# Altium PCB PCB_v3.PcbDoc (part 7 of 7)
Units mil, origin at the board's own origin, x right, y up, seen from the top; angles counter-clockwise.
Board outline 17000 x 5250 mil, 4 copper layers (Top Side, Ground Layer, Power Layer, Bottom Side), stack 33.2 mil thick; 591 components, 525 nets, 2570 pads, 902 vias.
Unrouted connection lines stored in the file: 119.
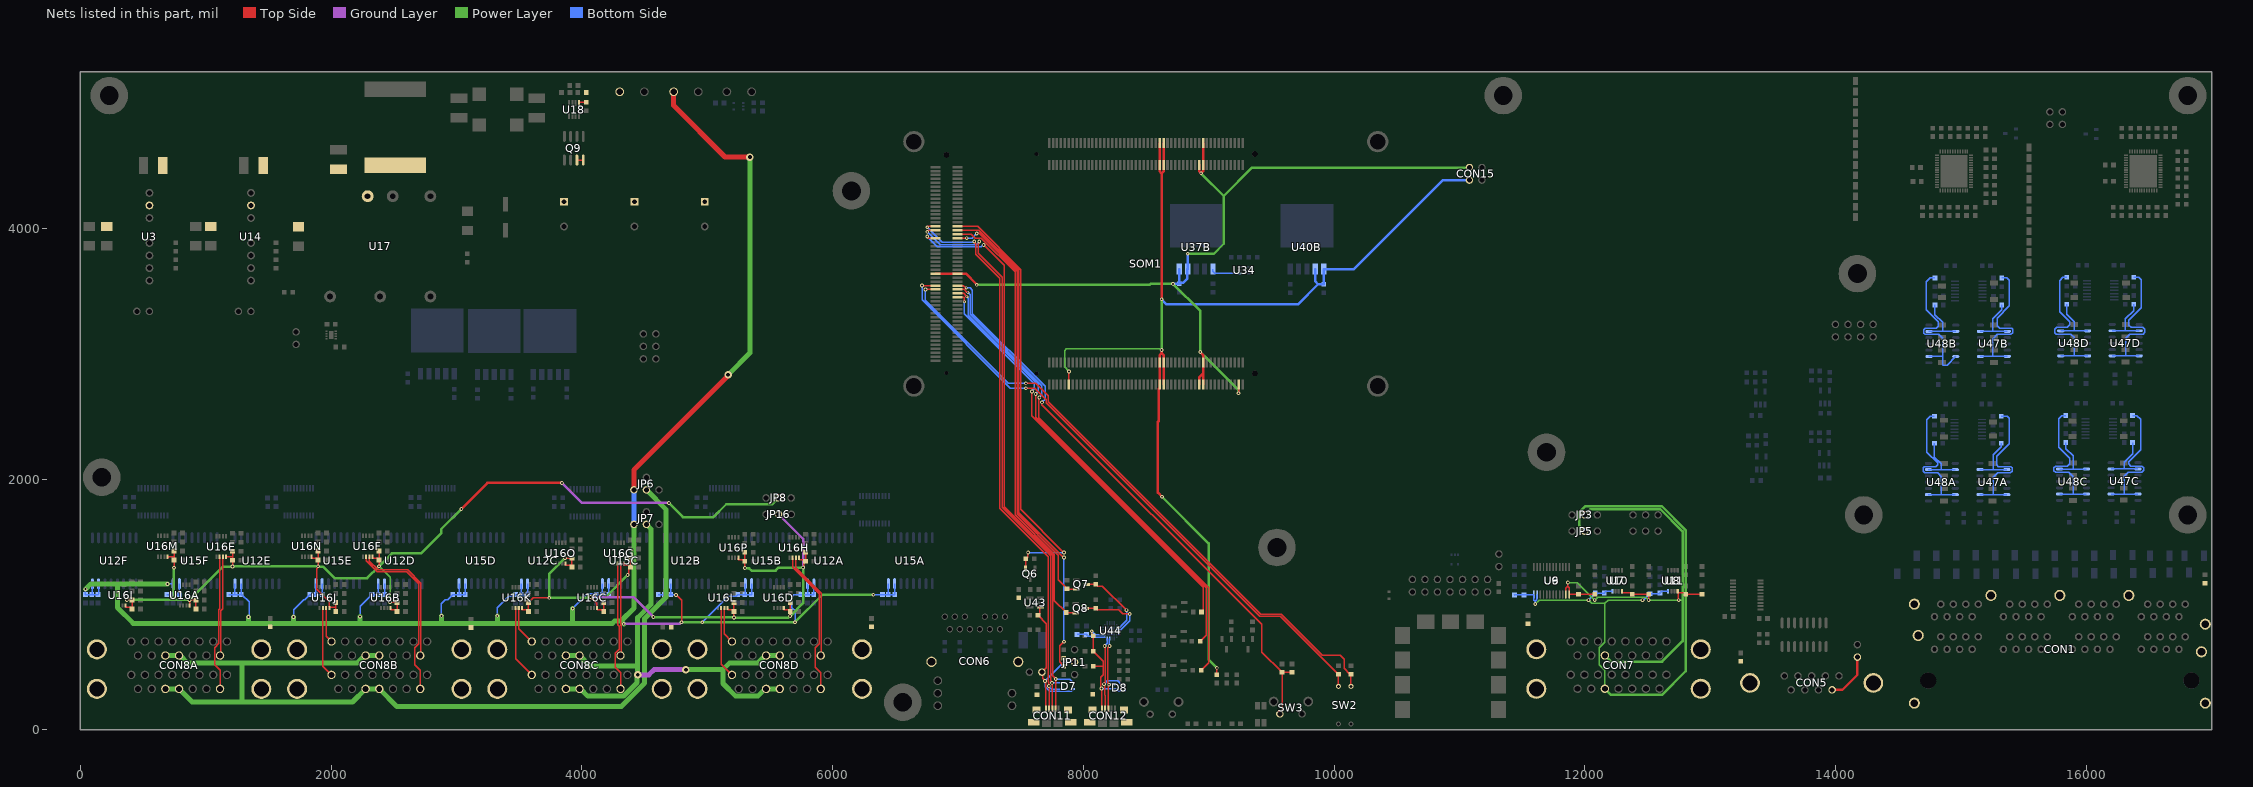
[diagram p9: the nets of this part, all layers, seen from the top]

## Via types
v1: diameter 30, hole 15, Top Side to Bottom Side, 586 vias
v2: diameter 22, hole 12, Top Side to Bottom Side, 248 vias
v3: diameter 25, hole 15, Top Side to Bottom Side, 30 vias
v4: diameter 60, hole 30, Top Side to Bottom Side, 29 vias
v5: diameter 50, hole 28, Top Side to Bottom Side, 7 vias
v6: diameter 40, hole 20, Top Side to Bottom Side, 2 vias

## Nets (pads, with @x,y where several pads share a name; then routed paths per layer and width w, separated by ;. In a path a pad name is that pad's centre, name@x,y a point inside that pad or via, vN(x,y) a via of type N, cw(c..) or ccw(c..) an arc to the next point about the centre after c; other vN are vias at no path point) (continued)
R\S\T\3: CON8B.8A U16J.7 | length 284.9
  Top Side w10: U16J.7@1959.41,972.11 1959.41,747.92 CON8B.8A@2002.33,705
R\S\T\4: CON8B.8B U16J.6 | length 561.5
  Top Side w10: U16J.6@1933.82,972.11 1933.82,507.51 CON8B.8B@2002.33,439
R\S\T\5: CON8C.8A U16K.7 | length 309.8
  Top Side w10: U16K.7@3496.48,972.11 3496.48,808.19 CON8C.8A@3599.67,705
R\S\T\6: CON8C.8B U16K.6 | length 586.4
  Top Side w10: U16K.6@3470.89,972.11 3470.89,567.78 CON8C.8B@3599.67,439
R\S\T\7: CON8D.8A U16L.7 | length 292.3
  Top Side w10: U16L.7@5136.09,972.11 5136.09,765.91 CON8D.8A@5197,705
R\S\T\8: CON8D.8B U16L.6 | length 568.9
  Top Side w10: U16L.6@5110.5,972.11 5110.5,525.5 CON8D.8B@5197,439
RDY1: CON8A.9A U16E.7 | length 796.4
  Top Side w10: CON8A.9A@1113.5,593 1120,599.5 1120,949.36 1136.18,965.54 U16E.7@1136.18,1380
RDY2: CON8A.9B U16E.6 | length 1087.8
  Top Side w10: U16E.6@1110.59,1380 1110.59,965.78 1105,960.19 1105,689.48 1070,654.48 1070,520.2 1113.5,476.7 CON8A.9B@1113.5,327
RDY3: CON8B.9A U16F.7 | length 1098.2
  Top Side w10: U16F.7@2304.41,1382.11 2304.41,1346.77 2374.64,1276.54 2609.27,1276.54 2714.83,1170.97 2714.83,597 CON8B.9A@2710.83,593
RDY4: CON8B.9B U16F.6 | length 1398.4
  Top Side w10: U16F.6@2278.82,1382.11 2280.36,1380.56 2280.36,1349.61 2368.43,1261.54 2603.06,1261.54 2699.83,1164.76 2699.83,686.98 2667.33,654.48 2667.33,520.2 2710.83,476.7 CON8B.9B@2710.83,327
RDY5: CON8C.9A U16G.7 | length 737.3
  Top Side w10: CON8C.9A@4308.17,593 4312.17,597 4312.17,832.6 4309.21,835.56 4309.21,1326.37 U16G.7@4309.94,1327.11
RDY6: CON8C.9B U16G.6 | length 1036.9
  Top Side w10: U16G.6@4284.35,1327.11 4284.35,839.2 4297.17,826.39 4297.17,643.52 4264.67,611.02 4264.67,498.47 4308.17,454.97 CON8C.9B@4308.17,327
RDY7: CON8D.9A U16H.7 | length 864.2
  Top Side w10: U16H.7@5706.94,1371.67 5706.94,1292.91 5909.5,1090.35 5909.5,597 CON8D.9A@5905.5,593
RDY8: CON8D.9B U16H.6 | length 1164.4
  Top Side w10: U16H.6@5681.35,1371.67 5681.35,1297.28 5894.5,1084.14 5894.5,686.98 5862,654.48 5862,498.47 5905.5,454.97 CON8D.9B@5905.5,327
RXD: Q7.3 R48.1 U44.17 | length 574.3
  Top Side w10: Q7.3@8026.34,1160 8098.46,1160 R48.1@8100,1161.54 8113.7,1147.83 8152.17,1147.83 v1(8345,955)
  Bottom Side w10: U44.17@8279.78,819.53 8291.59,819.53 8345,872.94 v1(8345,955)
SH_AGND: CON1.SH1 CON1.SH2 CON1.SH3 CON1.SH4 CON1.SH5 CON1.SH6 CON1.SH7 CON1.SH8 CON1.SH9 R1.2
SH_ENC: CON5.SH1 CON5.SH2 R23.1
SH_ETH: CON6.18 CON6.19 R24.2
SH_GND_INV_1: CON8A.SH1 CON8A.SH2 CON8A.SH3 CON8A.SH4 R26A.2
SH_GND_INV_2: CON8B.SH1 CON8B.SH2 CON8B.SH3 CON8B.SH4 R26B.2
SH_GND_INV_3: CON8C.SH1 CON8C.SH2 CON8C.SH3 CON8C.SH4 R26C.2
SH_GND_INV_4: CON8D.SH1 CON8D.SH2 CON8D.SH3 CON8D.SH4 R26D.2
SH_GPIO: CON7.SH1 CON7.SH2 CON7.SH3 CON7.SH4 R25.1
SH_USBOTG: CON11.SH1 CON11.SH2 CON11.SH3 CON11.SH4 R46.1
SH_USBUART: CON12.SH1 CON12.SH2 CON12.SH3 CON12.SH4 R53.1
TXD: Q8.3 R51.1 U44.18 | length 539.5
  Top Side w10: Q8.3@8021.34,970 R51.1@8097.21,970 ; R51.1@8098.75,971.54 8112.45,957.83 8282.52,957.83 8315.36,925 v1(8370,925)
  Bottom Side w10: U44.18@8279.78,799.84 8280.68,800.75 8298.76,800.75 8370,871.99 v1(8370,925)
USB_OTG_CPEN: Q6.2 R44.1 SOM1.JX3-70 | length 3468.9
  Top Side w10: SOM1.JX3-70@6994.92,4017.1 7155.9,4017.1 7501.04,3671.96 7501.04,1758.96 v1(7845,1415) ; Q6.2@7539.13,1286.34 7539.13,1356.14 R44.1@7544.76,1361.77 ; R44.1@7541.54,1365 7555.24,1378.7 7555.24,1404.82 7560,1409.59 v1(7560,1415)
  Bottom Side w10: v1(7560,1415) v1(7845,1415)
USB_OTG_ID: CON11.4 D7.1 SOM1.JX3-63 | length 4669.3
  Top Side w10: v1@6760.41,3935 v1(6755,3935) 6767.39,3922.61 SOM1.JX3-63@6821.69,3922.61 SOM1.JX3-63@6816.69,3927.61 ; v1(7205,3869) 7368,3706 7368,1781.8 7755,1394.8 7755,430 v1(7780,405) 7778.98,403.98 7778.98,168.43 CON11.4@7777.95,167.4
  Bottom Side w10: v1(6755,3935) 6836,3854 7184.59,3854 7199.59,3869 v1(7205,3869) ; v1(7780,405) 7891.02,405 7920.43,375.59 D7.1@7922.4,375.59
USB_OTG_N: CON11.2 D7.4 SOM1.JX3-69 | length 4609.6
  Top Side w10: v1(6755,4010) 6762.1,4017.1 SOM1.JX3-69@6821.69,4017.1 ; v1(7130,3895) 7130,3889.59 7140,3879.59 7140,3793.85 7333,3600.85 7333,1767.3 7720,1380.3 7720,383.03 7723.03,380 7723.03,351.97 v1(7725,350) 7725,347.53 7726.77,345.76 CON11.2@7726.77,167.4
  Bottom Side w10: v1(6755,4010) 6876,3889 7114.14,3889 7116.32,3891.17 7126.17,3891.17 v1(7130,3895) ; v1(7725,350) 7725,344.59 7743.4,326.19 7743.4,324.27 7794.57,324.27 7794.7,324.41 D7.4@7847.6,324.41
USB_OTG_P: CON11.3 D7.5 SOM1.JX3-67 | length 4622.1
  Top Side w10: v1(6755,3973.21) 6767.39,3985.6 SOM1.JX3-67@6821.69,3985.6 SOM1.JX3-67@6816.69,3980.6 ; v1(7170,3895) 7170,3889.59 7160,3879.59 7160,3802.14 7353,3609.14 7353,1775.59 7740,1388.59 7740,391.31 7750.46,380.86 v1(7750.46,375.46) 7750.46,253.64 7752.36,251.74 CON11.3@7752.36,167.4
  Bottom Side w10: v1(6755,3973.21) 6859.21,3869 7144,3869 v1(7170,3895) ; v1(7750.46,375.46) 7773.37,375.46 7773.5,375.59 D7.5@7847.6,375.59
USB_OTG_VBUS: C169.2 CON11.1 D7.3 JP11.2 JP12.1 U43.1 | length 1466.1
  Top Side w10: U43.1@7657.32,977.6 7652.17,972.44 7652.17,928.7 C169.2@7638.46,915 7705,848.46 7705,495 JP12.1@7670,460 7675.41,454.59 7675.41,412.84 7695,393.25 v1(7695,390) 7698.31,386.69 7698.31,170.28 CON11.1@7701.18,167.4
  Bottom Side w10: D7.3@7922.4,324.41 7920.43,324.41 7902.56,306.54 7733.11,306.54 7695,344.64 v1(7695,390) 7845,540 JP11.2@7930,540
USB_UART_D_N: CON12.2 D8.1 U44.5 | length 765.7
  Top Side w10: v1(8170,670) 8170,664.59 8175.59,658.99 8175.59,380.86 8165,370.26 v1(8165,365) 8165,359.59 8172.44,352.15 8172.44,276.91 8174.13,275.22 CON12.2@8174.13,167.4
  Bottom Side w10: v1(8165,365) 8190,390 8273.15,390 8302.56,360.59 D8.1@8327.4,360.59 ; v1(8170,670) 8170,671.8 8190.26,692.05 8190.26,728.13 U44.5@8189.41,728.98
USB_UART_D_P: CON12.3 D8.5 U44.4 | length 629.9
  Top Side w10: CON12.3@8199.72,167.4 8199.72,348.12 8206.19,354.59 v1(8206.19,360) 8206.19,365.26 8195.59,375.86 8195.59,655.59 v1(8210,670)
  Bottom Side w10: v1(8206.19,360) 8211.6,360 8221.19,369.59 8241.9,369.59 8247.76,363.73 8247.76,363.46 8250.63,360.59 D8.5@8252.6,360.59 ; U44.4@8209.1,728.98 8208.26,728.13 8208.26,671.74 v1(8210,670)
USB_UART_RXD: Q7.2 R47.1 SOM1.JX3-64 | length 3391.7
  Top Side w10: SOM1.JX3-64@6994.92,3922.61 v1(7069.71,3922.61) ; v1(7150,3960) 7170.57,3960 7471.04,3659.53 7471.04,1724.07 7800,1395.11 7800,1196.54 R47.1@7870,1126.54 ; R47.1@7870,1131.54 7878.94,1122.6 Q7.2@7943.66,1122.6
  Bottom Side w10: v1(7069.71,3922.61) 7112.61,3922.61 v1(7150,3960)
USB_UART_TXD: Q8.2 R50.1 SOM1.JX3-66 | length 3547.2
  Top Side w10: SOM1.JX3-66@6994.92,3954.1 7106.15,3954.1 7137.64,3922.61 7186.75,3922.61 7456.04,3653.32 7456.04,1714.98 7770,1401.01 7770,1031.54 R50.1@7865,936.54 7868.94,932.6 Q8.2@7938.66,932.6
USB_UART_VBUS: C172.1 C173.1 CON12.1 D8.3 R52.2 U44.7 | length 1037.2
  Top Side w10: v1(8067.46,786.63) 8067.46,761.01 R52.2@8078.46,750 8079.72,748.74 C172.1@8079.72,626.57 8157.43,548.87 8157.43,506.57 ; C173.1@8079.72,506.57 8157.43,506.57 ; CON12.1@8148.54,167.4 8146.77,169.17 8146.77,328.23 v1(8145,330) 8140,335 8140,421.9 8157.43,439.32 8157.43,506.57
  Bottom Side w10: v1(8067.46,786.63) 8093.62,760.47 U44.7@8157.92,760.47 ; v1(8145,330) 8263.87,330 8284.46,309.41 D8.3@8327.4,309.41
USB_UART_VDD: C174.2 C175.2 U44.6 | length 228.3
  Bottom Side w10: C175.2@7950,761.54 C174.2@8025,761.54 8038.7,747.83 8085.04,747.83 8092.09,740.79 U44.6@8169.73,740.79
USB_VBUS_OTG: R42.1 R43.1 SOM1.JX3-68 | length 4020.6
  Top Side w10: SOM1.JX3-68@6994.92,3985.6 7166.18,3985.6 7486.04,3665.75 7486.04,1733.96 v1(7845,1375) ; R42.1@7845,571.54 R43.1@7845,508.46 7811.3,542.17 7811.3,669.71 v1(7845,703.42)
  Bottom Side w10: v1(7845,703.42) v1(7845,1375)
USER_BTN1: C52.2 R18.2 SOM1.JX3-40 SW3.1 | length 4648.1
  Top Side w10: SOM1.JX3-40@6994.92,3544.66 7043.23,3544.66 7062.47,3525.42 v2(7065.82,3525.42) ; v1(7670,2613) 7670,2595.01 9424.13,840.87 9424.13,620 R18.2@9585,459.13 ; SW3.1@9567.83,127.6 9585,144.76 R18.2@9585,459.13 ; C52.2@9665,459.13 R18.2@9585,459.13
  Ground Layer w10: v2(7065.82,3525.42) v2@7067.49,3523.74
  Bottom Side w10: v2(7065.82,3525.42) 7096.04,3525.42 7113.63,3507.82 7113.63,3321.01 7695,2739.64 7695,2638 v1(7670,2613)
USER_LED_B: R32.2 SOM1.JX3-38 | length 3951
  Top Side w10: SOM1.JX3-38@6994.92,3513.16 7048.38,3513.16 7071.54,3490 v2(7080,3490) ; v1(7649.09,2651.54) 7645,2647.45 7645,2489.54 9000,1134.54 9000,534.64 8940.36,475 R32.2@8939.8,475
  Bottom Side w10: v2(7080,3490) 7098.63,3471.37 7098.63,3314.8 7670.13,2743.3 7670.13,2672.57 v1(7649.09,2651.54)
USER_LED_G: R31.2 SOM1.JX3-36 | length 3660.8
  Top Side w10: SOM1.JX3-36@6994.92,3481.66 7044.6,3481.66 v2(7071.54,3454.73) ; v1(7620,2680) 7620,2493.33 8980,1133.33 8980,755.14 R31.2@8933.08,708.22
  Bottom Side w10: v2(7071.54,3454.73) 7083.63,3442.63 7083.63,3308.59 7640,2752.22 7640,2700 v1(7620,2680)
USER_LED_R: R29.2 SOM1.JX3-34 | length 3375.2
  Top Side w10: SOM1.JX3-34@6994.92,3450.17 7045.88,3450.17 7050.54,3445.52 7050.54,3417.45 v2(7051.93,3416.05) ; v1(7590,2700) 7590,2508.12 7587,2505.12 8955,1137.12 8955,951.89 R29.2@8943.46,940.36
  Bottom Side w10: v2(7051.93,3416.05) 7051.93,3319.07 7609.76,2761.24 7609.76,2719.76 v1(7590,2700)
USER_SW1: R22.2 SOM1.JX3-37 SW2.1 | length 4968
  Top Side w10: v1(6740,3513.16) SOM1.JX3-37@6821.69,3513.16 ; v1(7541.54,2764.64) 7620.36,2764.64 7719.9,2665.1 7719.9,2617.81 9414.83,922.88 9578.33,922.88 9906.21,595 10050,595 10080,565 10080,490 10125,445 R22.2@10135,445 SW2.1@10135,347.52
  Bottom Side w10: v1(6740,3513.16) 6740,3425.64 7401,2764.64 v1(7541.54,2764.64)
USER_SW2: R21.2 SOM1.JX3-39 SW2.3 | length 4890
  Top Side w10: v1(6713.29,3544.66) SOM1.JX3-39@6821.69,3544.66 ; v1(7541.54,2725.39) 7611.61,2725.39 7704.9,2632.1 7704.9,2611.6 9408.62,907.88 9572.12,907.88 R21.2@10035,445 SW2.3@10035,347.52
  Bottom Side w10: v1(6713.29,3544.66) 6713.29,3431.14 7419.04,2725.39 v1(7541.54,2725.39)
V_AA: R57A.1 U47A.2 U47A.13 | length 1166.3
  Bottom Side w10: U47A.2@15152.2,1876.91 15259.49,1876.91 ; R57A.1@15323.46,2502.62 15370,2502.62 15385.16,2487.46 15385.16,2282.99 15285,2182.83 15285,2115 15300,2100 15400,2100 15410,2090 15410,2065 15395,2050 15294.29,2050 15259.49,2015.2 15259.49,1876.91 ; U47A.13@15366.77,1876.91 15259.49,1876.91
V_AB: R57B.1 U47B.2 U47B.13 | length 1168.2
  Bottom Side w10: U47B.2@15156.2,2979.29 15253.19,2979.29 ; R57B.1@15327.46,3605 15367.69,3605 15387.77,3584.92 15387.77,3382.77 15290,3285 15290,3225 15310,3205 15405,3205 15415,3195 15415,3170 15400,3155 15290,3155 15253.19,3118.19 15253.19,2979.29 ; U47B.13@15370.77,2979.29 15253.19,2979.29
V_AC: R57C.1 U47C.2 U47C.13 | length 1152.1
  Bottom Side w10: U47C.2@16198.74,1881.55 16305,1881.55 ; R57C.1@16370,2507.26 16403.46,2507.26 16434.31,2476.41 16434.31,2234.31 16340.16,2140.16 16340.16,2122.4 16357.56,2105 16445,2105 16458.45,2091.55 16458.45,2071.16 16442.29,2055 16335,2055 16305,2025 16305,1881.55 ; U47C.13@16413.31,1881.55 16305,1881.55
V_AD: R57D.1 U47D.2 U47D.13 | length 1165.1
  Bottom Side w10: U47D.2@16208.31,2984.08 16315,2984.08 ; R57D.1@16379.57,3609.79 16420,3609.79 16440.79,3589 16440.79,3366.93 16340.16,3266.3 16340.16,3229.84 16359.3,3210.7 16452.5,3210.7 16469,3194.2 16469,3172.58 16454.39,3157.98 16347.98,3157.98 16315,3125 16315,2984.08 ; U47D.13@16422.87,2984.08 16315,2984.08
V_BA: R58A.1 U47A.6 U47A.9 | length 451.4
  Bottom Side w10: U47A.6@15152.2,2076.91 15259.49,2076.91 ; R58A.1@15323.46,2287.22 15323.46,2258.46 15259.49,2194.49 15259.49,2076.91 ; U47A.9@15366.77,2076.91 15259.49,2076.91
V_BB: R58B.1 U47B.6 U47B.9 | length 455.6
  Bottom Side w10: U47B.6@15156.2,3179.29 15253.19,3179.29 ; R58B.1@15327.46,3389.61 15327.46,3352.46 15253.19,3278.19 15253.19,3179.29 ; U47B.9@15370.77,3179.29 15253.19,3179.29
V_BC: R58C.1 U47C.6 U47C.9 | length 452.6
  Bottom Side w10: U47C.6@16198.74,2081.55 16303.07,2081.55 ; R58C.1@16370,2291.86 16370,2201.21 16303.07,2134.28 16303.07,2081.55 ; U47C.9@16413.31,2081.55 16303.07,2081.55
V_BD: R58D.1 U47D.6 U47D.9 | length 452.6
  Bottom Side w10: U47D.6@16208.31,3184.08 16312.64,3184.08 ; R58D.1@16379.57,3394.4 16379.57,3345.02 16312.64,3278.09 16312.64,3184.08 ; U47D.9@16422.87,3184.08 16312.64,3184.08
V_CA: R59A.1 U48A.2 U48A.13 | length 448.1
  Bottom Side w10: U48A.13@14741.18,2076.42 14845,2076.42 ; R59A.1@14790,2287.22 14790,2176.21 14845,2121.21 14845,2076.42 ; U48A.2@14955.75,2076.42 14845,2076.42
V_CB: R59B.1 U48B.2 U48B.13 | length 450.6
  Bottom Side w10: U48B.13@14745.18,3178.81 14855,3178.81 ; R59B.1@14794,3389.61 14794,3313.16 14855,3252.16 14855,3178.81 ; U48B.2@14959.75,3178.81 14855,3178.81
V_CC: R59C.1 U48C.2 U48C.13 | length 449.6
  Bottom Side w10: U48C.13@15787.72,2081.06 15895,2081.06 ; R59C.1@15836.54,2291.86 15836.54,2243.78 15895,2185.31 15895,2081.06 ; U48C.2@16002.28,2081.06 15895,2081.06
V_CD: R59D.1 U48D.2 U48D.13 | length 449.1
  Bottom Side w10: U48D.13@15797.28,3183.6 15903.46,3183.6 ; R59D.1@15846.1,3394.4 15846.1,3313.9 15903.46,3256.54 15903.46,3183.6 ; U48D.2@16011.85,3183.6 15903.46,3183.6
V_DA: R60A.1 U48A.6 U48A.9 | length 1141.1
  Bottom Side w10: U48A.9@14741.18,1876.42 14845,1876.42 ; R60A.1@14790,2502.62 14757.77,2502.62 14728.46,2473.31 14728.46,2216.54 14815,2130 14815,2115 14800,2100 14710,2100 14700,2090 14700,2063 14713,2050 14815,2050 14845,2020 14845,1876.42 ; U48A.6@14955.75,1876.42 14845,1876.42
V_DB: R60B.1 U48B.6 U48B.9 | length 1255.7
  Bottom Side w10: U48B.9@14745.18,2978.81 14855,2978.81 ; R60B.1@14794,3605 14754.88,3605 14724,3574.12 14724,3351 14820,3255 14820,3220 14805,3205 14716.64,3205 14705,3193.36 14705,3165 14715,3155 14825,3155 14855,3125 14855,2978.81 ; U48B.6@14959.75,2978.81 14890.94,2910 14855,2910 14855,2978.81
V_DC: R60C.1 U48C.6 U48C.9 | length 1152.8
  Bottom Side w10: U48C.9@15787.72,1881.06 15895,1881.06 ; R60C.1@15836.54,2507.26 15805.16,2507.26 15780,2482.1 15780,2255 15870,2165 15870,2125 15850,2105 15756.06,2105 15741.06,2090 15741.06,2068.94 15755.94,2054.06 15859.71,2054.06 15895,2018.76 15895,1881.06 ; U48C.6@16002.28,1881.06 15895,1881.06
V_DD: R60D.1 U48D.6 U48D.9 | length 1146.6
  Bottom Side w10: U48D.9@15797.28,2983.6 15903.46,2983.6 ; R60D.1@15846.1,3609.79 15815,3609.79 15789.08,3583.87 15789.08,3475.26 15789,3475.18 15789,3336 15870,3255 15870,3230 15850.7,3210.7 15765.7,3210.7 15750,3195 15750,3170 15762.02,3157.98 15877.02,3157.98 15903.46,3131.54 15903.46,2983.6 ; U48D.6@16011.85,2983.6 15903.46,2983.6
VCCIO_EN: U34.4 U37B.1 | length 237.9
  Bottom Side w10: U37B.1@9034.02,3676.54 9034.02,3656.94 9050.02,3640.94 U34.4@9245.71,3640.94
VCCO: C158B.1 CON15.3 SOM1.JX1-78 SOM1.JX1-79 SOM1.JX1-80 SOM1.JX2-78 SOM1.JX2-79 SOM1.JX2-80 SOM1.JX2-98 SOM1.JX3-45 SOM1.JX3-46 U37B.4 U37B.5 | length 7242.6
  Top Side w10: v1(9238.46,2685) SOM1.JX2-98@9238.46,2756.77
  Top Side w20: SOM1.JX3-45@6821.69,3639.15 6964.92,3639.15 SOM1.JX3-46@6994.92,3639.14 7064.14,3639.14 7150,3553.29 v1(7150,3550.35) ; SOM1.JX2-78@8923.5,2756.77 8923.5,2811.89 8955,2843.39 ; SOM1.JX1-78@8923.5,4506.77 8923.5,4456.77 v1@8940,4440.27 ; v1(8933.11,3015) 8933.11,3012.29 8955,2990.4 SOM1.JX2-79@8955,2930 8955,2843.39 ; v1(8940,4440) v1@8940,4440.27 ; SOM1.JX2-80@8955,2756.77 8955,2843.39 ; SOM1.JX1-79@8955,4680 8955,4536.77 SOM1.JX1-80@8955,4506.77 8955,4456.77 8940,4441.77 v1@8940,4440.27
  Power Layer w20: v1(7150,3550.35) 8529.27,3550.35 8537.39,3558.46 v1(8715,3558.46) 8933.11,3340.35 v1(8933.11,3015) 9236.55,2711.56 9236.55,2686.91 v1(9238.46,2685) ; v1(8833.47,3797.89) 9040.25,3797.89 9120.49,3878.13 9120.49,4259.51 ; v1(8940,4440) 9120.49,4259.51 ; CON15.3@11080,4486.06 9347.04,4486.06 9120.49,4259.51
  Bottom Side w20: v1(8715,3558.46) C158B.1@8766.02,3558.46 ; U37B.5@8766.02,3676.54 C158B.1@8766.02,3558.46 ; v1(8833.47,3797.89) 8833.47,3676.98 U37B.4@8833.02,3676.54 8829.89,3673.4 8829.89,3601.54 8794.72,3566.37 8773.93,3566.37 C158B.1@8766.02,3558.46
VDRIVE: C95A.1 C95B.1 C95C.1 C95D.1 C95E.1 C95F.1 C96A.1 C96B.1 C96C.1 C96D.1 C96E.1 C96F.1 C97A.1 C97B.1 C97C.1 C97D.1 C97E.1 C97F.1 C98A.1 C98B.1 C98C.1 C98D.1 C98E.1 C98F.1 C99A.1 C99B.1 C99C.1 C99D.1 C99E.1 C99F.1 C100A.1 C100B.1 C100C.1 C100D.1 C100E.1 C100F.1 CON3.1 JP6.1 JP7.1 U12A.15 U12A.16 U12B.15 U12B.16 U12C.15 U12C.16 U12D.15 U12D.16 U12E.15 U12E.16 U12F.15 U12F.16 U15A.15 U15A.16 U15B.15 U15B.16 U15C.15 U15C.16 U15D.15 U15D.16 U15E.15 U15E.16 U15F.15 U15F.16 | length 18232.6
  Top Side w10: v1(4751.17,1076.54) 4795,1032.7 v1(4795,859)
  Top Side w40: JP6.1@4415,1914.99 4415,2075 5166.46,2826.46 v4(5166.46,2833.46) ; CON3.1@4731.57,5088.41 4731.57,4980.33 5141.9,4570 v4(5340,4570)
  Ground Layer w20: v1(4334.21,845.92) 4779.21,845.92 4792.29,859 v1(4795,859)
  Power Layer w20: v1(4795,859) v1(4960,859) v1(5700,859) 5919,1078 v1(6325,1078)
  Power Layer w40: v1(40,1122.6) 82.19,1164.79 294.63,1164.79 ; v1(695,1164.79) 294.63,1164.79 ; v1(1340,900) 1340,850 ; v1(1700,900) 1700,850 ; v1(2230,903.03) 2230,850 ; v1(2880,910) 2880,850 ; v1(3325.17,910) 3325.17,850 ; v1(3926.67,968.77) 3926.67,850 ; v1(4334.21,845.92) 4311.98,868.14 ; JP7.1@4415,1640 4415,1267.57 4414,1266.57 4414,1233.43 4415,1232.43 4415,971.16 4311.98,868.14 ; v4(5166.46,2833.46) 5340,3007.01 v4(5340,4570) ; 294.63,1164.79 294.63,975.37 420,850 1340,850 ; 1340,850 1700,850 ; 1700,850 2230,850 ; 2230,850 2880,850 ; 2880,850 3325.17,850 ; 3325.17,850 3926.67,850 ; 3926.67,850 4243.29,850 4261.43,868.14 4311.98,868.14
  Bottom Side w10: v1(40,1122.6) C95F.1@40,1079.76 C99F.1@90,1079.76 ; U12F.16@94.63,1165.16 94.63,1084.39 C99F.1@90,1079.76 ; U12F.15@144.63,1165.16 144.63,1084.39 C97F.1@140,1079.76 C99F.1@90,1079.76 ; v1@686.02,1166.69 687.93,1164.79 v1(695,1164.79) 737.72,1164.79 U15F.16@739.63,1166.69 739.63,1081.09 C98F.1@738.31,1079.76 ; C96F.1@690,1079.76 C98F.1@738.31,1079.76 ; U15F.15@789.63,1166.69 789.63,1080.13 C100F.1@790,1079.76 C98F.1@738.31,1079.76 ; C95E.1@1184.02,1079.76 C97E.1@1232.7,1079.76 ; U12E.16@1232.7,1165.16 C97E.1@1232.7,1079.76 ; U12E.15@1282.7,1165.16 C99E.1@1282.7,1079.76 ; v1(1340,900) 1340,905.41 1345,910.41 1345,1023.19 1288.43,1079.76 C99E.1@1282.7,1079.76 ; v1(1700,900) 1700,958.19 1779.64,1037.83 1788.74,1037.83 C96E.1@1830.67,1079.76 C98E.1@1877.7,1079.76 ; U15E.16@1877.7,1166.69 C98E.1@1877.7,1079.76 ; U15E.15@1927.7,1166.69 C100E.1@1927.7,1079.76 C98E.1@1877.7,1079.76 ; v1(2230,903.03) 2230,984.39 C95D.1@2325.38,1079.76 C97D.1@2375.38,1079.76 ; U12D.16@2375.38,1165.16 C97D.1@2375.38,1079.76 ; U12D.15@2425.38,1165.16 C99D.1@2425.38,1079.76 C97D.1@2375.38,1079.76 ; v1(2880,910) 2880,1008.19 2910.85,1039.04 2929.28,1039.04 C96D.1@2970,1079.76 C98D.1@3020.38,1079.76 ; U15D.16@3020.38,1166.69 C98D.1@3020.38,1079.76 ; U15D.15@3070.38,1166.69 3070.38,1080.14 C100D.1@3070,1079.76 C98D.1@3020.38,1079.76 ; v1(3325.17,910) 3325.17,973.36 3417.87,1066.06 3456.3,1066.06 C95C.1@3470,1079.76 C97C.1@3516.91,1079.76 ; U12C.16@3516.91,1165.16 C97C.1@3516.91,1079.76 ; U12C.15@3566.91,1165.16 C99C.1@3566.91,1079.76 C97C.1@3516.91,1079.76 ; v1(3926.67,968.77) 4042.89,1085 4110.43,1085 C96C.1@4115.67,1079.76 C98C.1@4163.84,1079.76 ; U15C.16@4163.84,1166.69 C98C.1@4163.84,1079.76 ; U15C.15@4213.84,1166.69 C100C.1@4213.84,1079.76 C98C.1@4163.84,1079.76 ; C95B.1@4610,1079.76 C97B.1@4658.45,1079.76 ; U12B.16@4658.45,1165.16 C97B.1@4658.45,1079.76 ; U12B.15@4708.45,1165.16 C99B.1@4708.45,1079.76 ; v1(4751.17,1076.54) 4711.68,1076.54 C99B.1@4708.45,1079.76 ; v1@4960,860 4961,860 5167.06,1066.06 5229.55,1066.06 C96B.1@5243.26,1079.76 C98B.1@5298.26,1079.76 ; U15B.16@5303.45,1166.69 5303.45,1084.96 C98B.1@5298.26,1079.76 ; U15B.15@5353.45,1166.69 5353.45,1079.96 C100B.1@5353.26,1079.76 C98B.1@5298.26,1079.76 ; v1(5700,859) 5700,951.08 5675,976.08 5675,1062.76 5689.64,1077.4 5745.94,1077.4 C95A.1@5748.31,1079.76 C97A.1@5799.98,1079.76 ; U12A.16@5799.98,1165.16 C97A.1@5799.98,1079.76 ; U12A.15@5849.98,1165.16 C99A.1@5849.98,1079.76 C97A.1@5799.98,1079.76 ; v1(6325,1078) 6396.54,1078 C96A.1@6398.31,1079.76 C98A.1@6444.98,1079.76 ; U15A.16@6444.98,1166.69 C98A.1@6444.98,1079.76 ; U15A.15@6494.98,1166.69 C100A.1@6494.98,1079.76 C98A.1@6444.98,1079.76 ; C97E.1@1232.7,1079.76 C99E.1@1282.7,1079.76 ; C97B.1@4658.45,1079.76 C99B.1@4708.45,1079.76
  Bottom Side w40: JP7.1@4415,1640 JP6.1@4415,1914.99
VENCODER: CON5.6 JP1.2 | length 397.8
  Top Side w10: JP1.2@14170.51,575.51 JP1.2@14175,580
  Top Side w20: CON5.6@13973.58,319.09 14054.09,319.09 14175,440 JP1.2@14175,580
VGPIOA: C61.1 C63.1 C65.1 C67.1 C69.1 C71.1 CON7.13A JP3.2 U6.23 U6.24 U7.8 U8.8 | length 4365.9
  Top Side w10: U6.23@11850.16,1079.76 11850.16,1130.16 11865,1145 ; v1(11865,1175) 11865,1145 ; U6.24@11875.75,1079.76 U6.24@11875.75,1080.63 ; C63.1@12080,1081.54 C61.1@11950,1081.54 11876.65,1081.54 U6.24@11875.75,1080.63 ; U7.8@12295.98,1107.12 12295.98,1097.88 12299.25,1094.62 12366.92,1094.62 C67.1@12380,1081.54 C65.1@12510,1081.54 v1(12510,1035) ; U8.8@12741.77,1097.88 U8.8@12741.77,1107.12 ; v1(12750,1035) 12745.04,1039.96 12745.04,1094.62 12792.51,1094.62 C69.1@12805.59,1081.54 C71.1@12935,1081.54 ; 11865,1145 11875.75,1134.25 U6.24@11875.75,1080.63
  Power Layer w10: v1(11865,1175) 11940,1175 v1(12080,1035) 12105,1060 12485,1060 v1(12510,1035) v1(12750,1035) 12780,1035
  Power Layer w20: JP3.2@12000,1715 12045,1760 12603.64,1760 12780,1583.64 12780,1035 12780,708.91 12616.59,545.5 12209,545.5 CON7.13A@12160.5,594
VGPIOB: C73.1 C75.1 C77.1 C79.1 C81.1 C83.1 CON7.13B JP5.2 U9.23 U9.24 U10.8 U11.8 | length 5346.9
  Power Layer w10: v1(11605,1004.25) 11635.75,1035 v1(12030,1035) 12056,1009 12160,1009 12186,1035 v1(12460,1035) ; CON7.13B@12160,328.5 12160.5,329 12160.5,477.7 12117,521.2 12117,655.48 12160.5,698.98 12160.5,1008.5
  Power Layer w20: JP5.2@12000,1585 11955,1630 11955,1733.64 12006.36,1785 12613.99,1785 12805,1593.99 12805,467.91 12616.59,279.5 12209,279.5 CON7.13B@12160,328.5
  Bottom Side w10: C75.1@11438.46,1075 C75.1@11440,1076.54 C73.1@11515,1076.54 11517.32,1078.86 11593.35,1078.86 U9.24@11594.25,1079.76 11595.16,1078.86 11595.16,1034.84 11605,1025 ; v1(11605,1004.25) 11605,1025 ; U9.23@11619.84,1079.76 11618.94,1078.86 11618.94,1038.94 11605,1025 ; v1(12030,1035) 12030,1036.54 C79.1@12085,1091.54 C77.1@12155,1091.54 12168.7,1105.24 12218.13,1105.24 U10.8@12220,1107.11 ; v1(12460,1035) 12463.83,1038.83 12472.29,1038.83 C81.1@12520,1086.54 12595,1086.54 12613.7,1105.24 12663.13,1105.24 U11.8@12665,1107.11
VIN: C102.1 C103.1 C104.1 CON4.1 Q9.7 Q9.8 R4.2 R5.2 U18.1 | length 113.7
  Top Side w10: Q9.7@3960.67,4545.64 Q9.8@4010.67,4545.64 ; U18.1@3975.23,5000.12 3975.23,5003.07 3978.1,5005.94 R4.2@4034.81,5005.94
VIN2: C87.1 C108.2 C109.1 C111.2 C112.1 C114.2 L1.2 U3.2 U14.2 U17.1
VIN_HDR: C164B.1 CON15.1 R12.2 SOM1.JX1-57 SOM1.JX1-58 SOM1.JX1-59 SOM1.JX1-60 SOM1.JX2-12 SOM1.JX2-57 SOM1.JX2-58 SOM1.JX2-59 SOM1.JX2-60 U40B.1 U40B.2 | length 9106.4
  Top Side w10: SOM1.JX2-12@7884.13,2756.77 7884.57,2757.2 7884.57,2859.57 v1(7885,2860) ; R12.2@9065,441.06 v1(9065,495)
  Top Side w20: SOM1.JX1-57@8608.54,4680 8608.54,4650 SOM1.JX1-58@8608.54,4506.77 8608.54,4456.2 8625,4439.74 ; v1(8625,3030) 8625,3005 ; v1(8625,3435) 8625,4439.74 ; v1(8627.05,1860) 8595,1892.05 8595,2457.43 8602.05,2464.47 8602.05,2720.28 8608.54,2726.77 SOM1.JX2-58@8608.54,2756.77 8608.54,2900 SOM1.JX2-57@8608.54,2930 8608.54,2988.54 8625,3005 ; SOM1.JX2-60@8640.04,2756.77 8640.04,2989.96 8625,3005 ; SOM1.JX1-59@8640.04,4680 8640.04,4536.77 SOM1.JX1-60@8640.04,4506.77 8640.04,4454.78 8625,4439.74
  Power Layer w10: v1(7885,2860) 7850,2895 7850,3025.36 7864.64,3040 8609.59,3040 8619.59,3030 v1(8625,3030)
  Power Layer w20: v1(8625,3030) v1(8625,3435) ; v1(8627.05,1860) 9000,1487.05 9000,560 v1(9065,495)
  Bottom Side w20: v1(8625,3435) 8665,3395 9713.01,3395 9873.01,3555 ; U40B.2@9850.88,3676.54 9850.88,3577.13 9873.01,3555 ; CON15.1@11080,4386.06 10868.18,4386.06 10158.65,3676.54 U40B.1@9917.88,3676.54 C164B.1@9917.88,3555 9873.01,3555
VSIGNALA: C90A.1 C90B.1 C90E.1 C90F.1 C90I.1 C90J.1 C90M.1 C90N.1 C94A.2 C94B.2 C94E.2 C94F.2 C94I.2 C94J.2 C94M.2 C94N.2 JP8.2 U16A.8 U16B.8 U16E.8 U16F.8 U16I.8 U16J.8 U16M.8 U16N.8 | length 8258.1
  Top Side w10: U16I.8@360,992.11 360,982.87 363.27,979.61 396.93,979.61 C90I.1@411.54,965 C94I.2@411.54,1036.67 v1(370,1036.67) ; U16M.8@698.27,1369.61 695,1372.87 U16M.8@695,1382.11 744.43,1382.11 746.54,1380 ; v1(746.54,1293.46) C90M.1@746.54,1355 746.54,1380 ; C94M.2@746.54,1426.67 746.54,1380 ; U16A.8@873.27,979.61 870,982.87 U16A.8@870,992.11 v1(870,1036.67) C94A.2@921.54,1036.67 C90A.1@921.54,965 ; U16E.8@1165.04,1367.5 1161.77,1370.77 U16E.8@1161.77,1380 1213.31,1380 ; v1(1213.31,1303.31) C90E.1@1213.31,1352.89 1213.31,1380 ; C94E.2@1213.31,1424.56 1213.31,1380 ; U16N.8@1843.88,1382.11 1843.88,1372.87 1848.06,1368.7 1881.72,1368.7 C90N.1@1895.42,1355 ; C94N.2@1895.42,1426.67 C90N.1@1895.42,1355 ; C90J.1@2036.54,945 2036.54,980 ; C94J.2@2036.54,1016.67 2036.54,980 ; U16F.8@2330,1382.11 2330,1372.87 2333.27,1369.61 2366.93,1369.61 C90F.1@2381.54,1355 ; v1(2381.54,1305) C90F.1@2381.54,1355 ; C94F.2@2381.54,1426.67 C90F.1@2381.54,1355 ; v1(2470,1020) 2522.44,1020 C94B.2@2525.77,1016.67 C90B.1@2525.77,945 2511.17,959.61 2477.5,959.61 2474.24,962.87 U16B.8@2474.24,972.11 ; C90N.1@1895.42,1355 1896.2,1354.22 v1(1896.2,1305) 1896.2,1299.59 1883.23,1286.62 1883.23,1122.96 1985,1021.19 1985,980 2036.54,980
  Top Side w20: v1(3038.31,1762.6) 3245.71,1970 v1(3840,1970)
  Ground Layer w20: v1(3840,1970) 4000,1810 v1(4693.45,1810)
  Power Layer w10: v1(2381.54,1305) 2470,1216.54 v1(2470,1020)
  Power Layer w20: v1(370,1036.67) 745,1036.67 ; v1(746.54,1293.46) 745,1291.93 745,1036.67 ; v1@1211.61,1303.31 1136.64,1303.31 v1(870,1036.67) 745,1036.67 ; v1@1214.15,1304.15 1895.35,1304.15 v1(1896.2,1305) 1898.11,1303.09 1934.49,1303.09 2027.57,1210 2286.54,1210 v1(2381.54,1305) 2484.13,1407.6 2715.73,1407.6 2876.06,1567.93 2876.06,1600.36 v1(3038.31,1762.6) ; v1(4693.45,1810) 4805.85,1697.6 5048.97,1697.6 5151.38,1800 5519.83,1800 JP8.2@5569.83,1850
VSIGNALB: C90C.1 C90D.1 C90G.1 C90H.1 C90K.1 C90L.1 C90O.1 C90P.1 C94C.2 C94D.2 C94G.2 C94H.2 C94K.2 C94L.2 C94O.2 C94P.2 JP16.2 U16C.8 U16D.8 U16G.8 U16H.8 U16K.8 U16L.8 U16O.8 U16P.8 | length 5884.4
  Top Side w10: U16K.8@3522.07,972.11 3522.07,962.87 3525.34,959.61 3559,959.61 C90K.1@3573.61,945 C94K.2@3573.61,1016.67 3610.25,1053.31 v1(3739.09,1053.31) ; U16O.8@3869.02,1327.11 3869.02,1317.87 3872.28,1314.61 3905.94,1314.61 C90O.1@3920.55,1300 C94O.2@3920.55,1371.67 3918.88,1370 v1@3877.75,1370 ; v1(4068.5,1060) 4118.88,1009.62 4118.88,975.37 U16C.8@4122.15,972.11 4122.15,962.87 4125.42,959.61 4159.08,959.61 C90C.1@4173.69,945 C94C.2@4173.69,1016.67 ; U16G.8@4335.54,1327.11 4335.54,1317.87 4338.8,1314.61 4372.46,1314.61 C90G.1@4387.07,1300 ; v1(4365,1235) 4365,1240.41 4373.37,1248.78 4373.37,1286.3 C90G.1@4387.07,1300 ; C94G.2@4387.07,1371.67 C90G.1@4387.07,1300 ; U16L.8@5161.68,972.11 5161.68,962.87 5164.94,959.61 5198.61,959.61 C90L.1@5213.21,945 ; v1(5213.21,895.69) C90L.1@5213.21,945 ; C94L.2@5213.21,1016.67 C90L.1@5213.21,945 ; U16P.8@5248.18,1371.67 5248.18,1362.43 5251.45,1359.17 5285.11,1359.17 C90P.1@5299.72,1344.56 ; v1(5299.72,1290.87) C90P.1@5299.72,1344.56 ; C94P.2@5299.72,1416.23 C90P.1@5299.72,1344.56 ; U16D.8@5610,972.11 5610,962.87 5613.27,959.61 5646.93,959.61 C90D.1@5661.54,945 ; v1(5661.54,908.46) C90D.1@5661.54,945 ; C94D.2@5661.54,1016.67 C90D.1@5661.54,945 ; U16H.8@5732.54,1371.67 5732.54,1362.43 5735.8,1359.17 5769.46,1359.17 C90H.1@5784.07,1344.56 ; v1(5765,1295) 5765,1300.41 5770.37,1305.78 5770.37,1330.86 C90H.1@5784.07,1344.56 ; C94H.2@5784.07,1416.23 C90H.1@5784.07,1344.56
  Ground Layer w20: v1(4068.5,1060) 4410,1060 v1(4570,900) ; JP16.2@5570,1720 5765,1525 v1(5765,1295)
  Power Layer w20: v1(3865.54,1370) 3739.09,1243.56 v1(3739.09,1053.31) 4059.1,1053.31 4065.8,1060 4190,1060 v1(4365,1235) ; v1(4570,900) 5206.2,900 5212.07,894.13 5212.07,892.07 5215.69,895.69 5646.06,895.69 5660.36,910 5663.07,910 5765,1011.93 v1(5765,1295) 5569.73,1295 5544.73,1270 5353.57,1270 5334.61,1288.96 5301.63,1288.96 v1(5299.72,1290.87)
VSUPPLYA: CON8A.12A CON8A.12B CON8A.13A CON8A.13B CON8B.12A CON8B.12B CON8B.13A CON8B.13B JP6.2 | length 7792.9
  Power Layer w40: CON8A.13B@677.5,327 CON8A.12B@786.5,327 891.5,222 1290,222 ; CON8A.13A@677.5,593 793.81,593 852.31,534.5 1300,534.5 ; CON8B.12A@2383.83,593 2267.53,593 2209.03,534.5 1300,534.5 ; JP6.2@4515,1914.99 4670,1759.99 4670,1056.57 4500,886.57 4500,372.46 4314.57,187.03 2523.8,187.03 CON8B.12B@2383.83,327 CON8B.13B@2274.83,327 2169.83,222 1290,222 ; 1290,222 1290,524.5 1300,534.5
VSUPPLYB: CON8C.12A CON8C.12B CON8C.13A CON8C.13B CON8D.12A CON8D.12B CON8D.13A CON8D.13B JP7.2 | length 4395.4
  Top Side w40: v4@4824.73,480 v4(4830.14,480)
  Ground Layer w40: v4(4445,439) 4534,439 4575,480 v4@4824.73,480
  Power Layer w40: CON8C.13B@3872.17,327 3988.47,327 4046.97,268.5 4332.4,268.5 4441.17,377.28 4441.17,435.17 v4(4445,439) 4445,510.51 ; CON8C.13A@3872.17,593 CON8C.12A@3981.17,593 4063.65,510.51 4445,510.51 ; JP7.2@4515,1640 4515,1639.33 4550,1604.33 4550,1000.21 4445,895.21 4445,510.51 ; v4(4830.14,480) 5115,480 5125,470 5125,370.77 5227.27,268.5 5403.69,268.5 5462.19,327 CON8D.12B@5578.5,327 ; 5120,475 5179.5,534.5 5403.69,534.5 5462.19,593 CON8D.12A@5578.5,593
pads on no net: CON1. CON6. CON6.15 CON9.5 CON9.6 CON9.7 CON10.12 CON11.SH CON12.4 CON12.SH D1.3 D1.4 D8.4 SOM1.0 SOM1.JX1-5 SOM1.JX1-7 SOM1.JX1-91 SOM1.JX1-93 SOM1.JX1-94 SOM1.JX2-1 SOM1.JX2-2 SOM1.JX2-3 SOM1.JX2-4 SOM1.JX2-5 SOM1.JX2-6 SOM1.JX2-7 SOM1.JX2-8 SOM1.JX2-9 SOM1.JX3-1 SOM1.JX3-2 SOM1.JX3-3 SOM1.JX3-4 SOM1.JX3-5 SOM1.JX3-7 SOM1.JX3-8 SOM1.JX3-9 SOM1.JX3-10 SOM1.JX3-11 SOM1.JX3-13 SOM1.JX3-14 SOM1.JX3-15 SOM1.JX3-16 SOM1.JX3-19 SOM1.JX3-20 SOM1.JX3-21 SOM1.JX3-22 SOM1.JX3-25 SOM1.JX3-26 SOM1.JX3-27 SOM1.JX3-28 SOM1.JX3-30 SOM1.JX3-31 SOM1.JX3-32 SOM1.JX3-33 U1.42 U2.42 U3.3 U3.8 U4.5 U4.16 U5.8 U14.3 U14.8 U18.6 U43.3 U44.1 U44.2 U44.10 U44.11 U44.13 U44.15 U44.16 U47A.1 U47A.7 U47B.1 U47B.7 U47C.1 U47C.7 U47D.1 U47D.7 U48A.1 U48A.7 U48B.1 U48B.7 U48C.1 U48C.7 U48D.1 U48D.7
copper on no net:
  other v2: 14595,5030 14400,5090 14400,5125

## Polygon pours and split planes (outlines as drawn)
SH_AGND on Top Side "SH_AGND_POUR" (solid, pour order 13): 16910,1123 16910,1203.66 16985,1203.66 16985,0 14587.16,0 14587.16,1123
5.5V on Top Side "5.5V_L01_P103" (solid, pour order 103): 2027.7,3148.92 2095.54,3148.92 2111.33,3164.71 2111.33,3185.29 2095.94,3200.68 2027.7,3200.68
5.5V_ICL on Top Side "5.5V_ICL_L01_P095" (solid, pour order 95): 1699.76,3125 1790,3125 1935,3270 2000,3270 2000,3020 1660,3020 1660,3125
5.5V_JMP on Top Side "5.5V_JMP_L01_P097" (solid, pour order 97): 1660,3145 1660,3920 1814.96,3920 1815,3578.81 2020.98,3578.81 2070,3529.79 2070,3430 1905,3265 1785,3145
VIN2 on Top Side "Top Side-VIN2" (solid, pour order 91): 2850,5250 0,5250 0,3935 2850,3935
SH_ENC on Top Side "SH_ENC_POUR" (solid, pour order 6): 13286.47,495 13286.47,580 13201.47,580 13201.47,0 14421.47,0 14421.47,495
VIN on Top Side "SH_GND_INV_POUR" (solid, pour order 79): 3730,4080 3730,4486.86 3936.54,4486.86 3936.54,5249.99 4400,5249.99 4400,4372.36 5205.57,4372.36 5205.57,4080
SH_GPIO on Top Side "VIN_POUR" (solid, pour order 29): 13040,0 11500,0 11500,880 11595,880 11595,775 13040,775
SH_GND_INV_4 on Top Side "SH_GND_INV_POUR" (solid, pour order 27): 6350,857.07 6270,857.07 6270,775 4805,775 4805,5 6350,5
SH_GND_INV_3 on Top Side "SH_GND_INV_POUR" (solid, pour order 25): 4750,860 4670,860 4670,775 3210,775 3210,5 4750,5
SH_GND_INV_2 on Top Side "SH_GND_INV_POUR" (solid, pour order 23): 3075,775 3075,855 3155,855 3155,5 1615,5 1615,775
SH_GND_INV_1 on Top Side "SH_GND_INV_POUR" (solid, pour order 15): 1475,860 1475,775 15,775 15,5 1555,5 1555,860
SH_USBUART on Top Side "SH_USBOTG_POUR" (solid, pour order 11): 7985,0 7985,313.03 8410,313.03 8410,0
SH_USBOTG on Top Side "SH_USBOTG_POUR" (solid, pour order 9): 7535,0 7535,313.03 7975,313.03 7975,0
SH_ETH on Top Side "SH_ETH_POUR" (solid, pour order 8): 7435.14,1010 7435.34,1095 7535,1095 7535,0 6725,0 6725,1010
NetC107_2 on Top Side "NETC107_2_L01_P087" (solid, pour order 87): 2920,5234.71 3310,5234.71 3310,4809.53 3310,4585 2837.21,4585 2837.21,4870 2210,4870 2210,5234.71
NetC101_1 on Top Side "NETC101_1_L01_P002" (solid, pour order 2): 3716.91,4080.09 3716.91,4426.55 3933.74,4426.55 3933.74,5250 3325.17,5250 3325.17,4080.09
NetC101_1 on Top Side "VIN_POUR" (solid, pour order 4): 13070,21.73
no net on Top Side "Component Side-No Net" (solid, pour order 0): 0,4750
2.048VREF_B on Power Layer "2.048VREF_B_L03_P099" (solid, pour order 99): 16634.06,1881.06 15895,1881.06 15895,2081.06 16640,2081.06 16640,2984.08 15903.95,2984.08 15903.46,2983.6 15903.46,3183.6 16640,3183.6 16640,4136.38 16425,4136.54 16425,4251 16640,4251 16640,4659.21 16638.7,4660.51 16057,4660.51 16057,4760 16770,4760 16770,4140.1 16770,1881.08
2.048VREF_A on Power Layer "2.048VREF_A_L03_P101" (solid, pour order 101): 15240.16,4125.09 15240.43,4124.81 15240.43,1876.42 14884.54,1876.42 14882.5,1878.46 14882.5,4260.79 14909.56,4260.79 14910.81,4262.04 15125,4262.04 15130,4267.04 15130,4655.09 14916.38,4655.09 14914.47,4657 14915,4766.54 15480.16,4766.54 15480.16,4654.49 15240.16,4654.49
5.5V on Power Layer "Power Layer-5.5V" (solid, pour order 81): 9750,3450.49 8860.51,3450.49 8713.55,3597.45 6345.76,3597.45 5353.31,2605 2740,2605 2740,2800 5227.78,2800 6195.67,3767.89 9750,3767.89
-16V on Power Layer "-16V_POUR" (solid, pour order 59): 1560,4900 4975.72,4900 4975.72,5050 10798.91,5050 11142.1,4710 11519.09,4710 11859.09,5050 13450.01,5050 13450,1902.6 13350,1902.6 13350,4900 11920,4900 11585.62,4565.62 11080.72,4565.62 10748.39,4900 5140.31,4900 5140.31,4757.8 1722.2,4757.8 1720,4760 1720,3275.91 1310,3275.91 1310,3434.95 1560,3435.17
+16V on Power Layer "+16V_POUR" (solid, pour order 57): 740,5041.53 3854.57,5041.53 3854.57,5225 10926.43,5225 11258.69,4890 11436.09,4890 11771.09,5225 13964.35,5225 13964.35,1907.6 13800,1907.6 13800,5075 11840,5075 11498.07,4733.07 11163.06,4733.07 10821.13,5075 4957.27,5075 4957.27,4897.89 895.5,4900.22 895.5,3283 500,3283 500,3430.06 740,3429.92
GND_IN on Bottom Side "Bottom Side-GND_IN" (solid, pour order 85): 4590,4320 5241.25,4320 5239.46,3948.94 3320,3948.94 3320,4752.06 3320,5250 4590,5250 4590,5207.48
GND_IN2 on Bottom Side "Bottom Side-GND_IN2" (solid, pour order 93): 12.42,4150 3280,4150 3280,5250 0,5250
no net on Bottom Side "Bottom Side-No Net" (solid, pour order 83): 4545.72,5234.71
GND on Ground Layer "GND_POWER" (solid, pour order 31): 0,5250 0,0 17000,0 17000,5250

## Other copper
Top Side:
  text "A" at 11177.17,3612.24 h140
  text "M" at 11177.17,3415.57 h140
  text "D" at 11180.5,3218.91 h140
  text "C" at 11180.5,3022.24 h140
  text "1" at 11870,2550 h80
Ground Layer:
  pour cut-out: 11860,2540 11860,2660 12190,2660 12190,2540
  text "2" at 11950,2550 h80
Power Layer:
  pour cut-out: 11860,2540 11860,2660 12190,2660 12190,2540
  text "3" at 12030,2550 h80
Bottom Side:
  text "4" at 12110,2550 h80

## Silkscreen, mask and mechanical layers (free items; w line width, h text height)
Top Overlay:
  lines w10: 4203.15,4443.68 4203.15,4933.68 ; 4204.31,4442.52 5455.28,4442.52 5455.28,4932.52 ; 4596.85,4932.52 4631.56,4932.52 ; 4615,4442.52 4615,4930 ; 4635,2959.17 4660,2959.17 4660,3059.17 ; 4635,3059.17 4660,3059.17 ; 4635,3159.17 4660,3159.17 4660,3059.17 ; 5028.44,4932.52 5061.57,4932.52 ; 5045.61,4442.52 5045.61,4930.93 ; 5394.83,1745 5394.83,1720 5424.83,1720 ; 5394.83,1825 5394.83,1850 5424.83,1850 ; 5714.83,1720 5744.83,1720 5744.83,1745 ; 5714.83,1850 5744.83,1850 5744.83,1825 ; 10625,1245 10625,1270 10725,1270 ; 10725,1245 10725,1270 ; 10825,1245 10825,1270 ; 11025,1245 11025,1270 ; 11125,1245 11125,1270 ; 11225,1245 11225,1270 11125,1270 ; 11226.74,4386.06 11251.74,4386.06 11251.74,4486.06 11226.74,4486.06 ; 11825,1610 11825,1585 11855,1585 ; 11825,1690 11825,1715 11855,1715 ; 11875,1650 12000,1650 12125,1650 ; 12145,1585 12175,1585 12175,1610 ; 12145,1715 12175,1715 12175,1690 ; 12310,1610 12310,1585 12340,1585 ; 12310,1690 12310,1715 12340,1715 ; 12360,1650 12485,1650 12610,1650 ; 12630,1585 12660,1585 12660,1610 ; 12630,1715 12660,1715 12660,1690 ; 14000,3276.74 14000,3301.74 14100,3301.74 ; 14100,3276.74 14100,3301.74 ; 14198.3,3301.74 14298.3,3301.74 14298.3,3276.74 ; 14200,3276.74 14200,3301.74 14100,3301.74 ; 15856.74,4830 15881.74,4830 15881.74,4930 15856.74,4930 ; 10725,1270 10825,1270 ; 10825,1270 10925,1270 ; 10925,1270 10925,1245 10925,1270 ; 10925,1270 11025,1270 ; 11025,1270 11125,1270 ; 3940,2919.17 3965,2894.17 5090,2894.17 5115,2919.17 5115,3520.71 5090,3545.71 3966.54,3545.71 3940,3519.17 3940,2919.17 ; 4175,1600 4180,1595 4515,1595 4970,1595 4975,1600 4975,2295 4970,2300 4180,2300 4175,2295 4175,1600 ; 5325,1680 5330,1675 5575,1675 6170,1675 6175,1680 6175,2145 6170,2150 5330,2150 5325,2145 5325,1680 ; 11750,1500 11775,1475 12000,1475 12700,1475 12725,1500 12725,1900 12700,1925 11775,1925 11750,1900 11750,1500 ; 14115,3930 14132.67,3912.33 14440.14,3912.33 14465,3937.2 14465,5204.7 14439.7,5230 14220,5230 14140,5230 14115,5205 14115,3930 ; 15500,3400 15517.67,3382.33 15825.14,3382.33 15850,3407.2 15850,4674.7 15824.7,4700 15605,4700 15525,4700 15500,4675 15500,3400
  lines w50: 12130,2495 12225,2495 12355,2625 12355,3775 ; 12141.29,2495 11225,2495 11100,2620 11100,2645 11100,3780 11226.39,3906.39 12223.61,3906.39 ; 12228.61,3906.39 12355,3780
  text "GND" at 14215.12,5156.59 h40
  text "CNV" at 14215.12,5073.01 h40
  text "SDO1" at 14215.12,4989.42 h40
  text "GND" at 15900,4930 h30 r270
  text "2.048VREF_B" at 15340,4915 h30
  text "SDO2" at 14215.12,4905.84 h40
  text "V+" at 4251.59,4825 h60
  text "V-" at 4448.44,4825 h60
  text "V+" at 4681.59,4825 h60
  text "V-" at 4878.44,4825 h60
  text "GND" at 14215.12,4822.26 h40
  text "2.048VREF_A" at 15340,4815 h30
  text "SDO3" at 14215.12,4738.67 h40
  text "VIN" at 4211.3,4690 h60
  text "VDRIVE" at 4603.82,4690 h60
  text "ESTOP" at 4957.27,4690 h60
  text "SDO4" at 14215.12,4655.09 h40
  text "GND" at 15600.12,4626.59 h40
  text "CLKOUT" at 14215.12,4571.51 h40
  text "18V" at 4641.45,4549.04 h100
  text "24V" at 4220.12,4542.65 h100
  text "CNV" at 15600.12,4543.01 h40
  text "SDO5" at 14215.12,4487.92 h40
  text "GND" at 11270,4486.06 h30 r270
  text "VCCO" at 10914.56,4472.04 h30
  text "SDO1" at 15600.12,4459.42 h40
  text "MAX!" at 4603.96,4436.54 h75
  text "GND" at 14215.12,4404.34 h40
  text "SDO2" at 15600.12,4375.84 h40
  text "VIN_HDR" at 10825,4374.47 h30
  text "SDO6" at 14215.12,4320.76 h40
  text "GND" at 15600.12,4292.26 h40
  text "SDO7" at 14215.12,4237.17 h40
  text "SDO3" at 15600.12,4208.67 h40
  text "SDO8" at 14215.12,4153.59 h40
  text "SDO4" at 15600.12,4125.09 h40
  text "SCK" at 14215.12,4070 h40
  text "CLKOUT" at 15600.12,4041.51 h40
  text "SDO5" at 15600.12,3957.92 h40
  text "ADC1" at 14195,3950 h60
  text "GND" at 15600.12,3874.34 h40
  text "SDO6" at 15600.12,3790.76 h40
  text "SDO7" at 15600.12,3707.17 h40
  text "SDO8" at 15600.12,3623.59 h40
  text "SCK" at 15600.12,3540 h40
  text "ADC2" at 15561.63,3426.57 h60
  text "GND" at 14101.82,3316.62 h30
  text "GENERAL VOLTAGE / TEST POINTS" at 3950,3264.17 h75
  text "+16V" at 280,3188.53 h40
  text "-16V" at 1060,3188.53 h40
  text "5V" at 4290,3124.18 h30
  text "GND" at 4680,3108.05 h30 r270
  text "dvanced / otor / rive / ontroller" at 11344,3028.71 h110
  text "3V3" at 4290,3024.18 h30
  text "5V5" at 1615,2933.6 h40
  text "1V8" at 4290,2924.18 h30
  text "Severson Group" at 11220,2670 h200
  text "REV20181121C" at 11230,2560 h50
  text "DRIVE" at 4940,2497.79 h75
  text "CONTROL" at 4875,2369.33 h75
  text "SUPPLY" at 4363.38,2220 h50
  text "VOLTAGE" at 4338.39,2140 h50
  text "SIGNAL" at 5429.99,2060 h50
  text "3V3" at 4452.52,2044.99 h30
  text "INV1..4" at 4595,2005 h50
  text "VOLTAGE" at 5405,1970 h50
  text "GPIO" at 12005,1945 h125
  text "VDRIVE" at 4185,1880 h30
  text "5V" at 4665,1880 h30
  text "INV1..4" at 5815,1815.01 h50
  text "VOLTAGE" at 11730.08,1785 h50
  text "DIRECTION" at 12266.73,1785 h50
  text "3V3" at 4452.52,1770 h30
  text "A" at 11978.34,1755 h35
  text "A" at 12463.34,1755 h35
  text "3V3" at 5324.83,1750 h30
  text "5V" at 5684.83,1750 h30
  text "INV5..8" at 5815,1685.01 h50
  text "ETHERNET" at 6630.99,1672.5 h125
  text "USB" at 7785,1660 h125
  text "3V3" at 11755,1615 h30
  text "5V" at 12115,1615 h30
  text "OUT" at 12230,1615 h30
  text "IN" at 12610,1615 h30
  text "VDRIVE" at 4185,1605.01 h30
  text "5V" at 4665,1605.01 h30
  text "INVERTERS" at 2685,1547.87 h125
  text "B" at 11978.34,1490 h35
  text "B" at 12463.34,1490 h35
  text "OTG" at 7631.73,1485 h75
  text "UART" at 8043.53,1485 h75
  text "JTAG" at 10674.77,1330 h125
  text "GND" at 10615,1280 h30
  text "ANALOG INPUTS" at 14900,1150 h125
  text "3V3" at 10650,910 h30 r90
  text "TMS" at 10750,910 h30 r90
  text "TCK" at 10850,910 h30 r90
  text "TDO" at 10950,910 h30 r90
  text "TDI" at 11050,910 h30 r90
  text "NC" at 11150,910 h30 r90
  text "RST" at 11250,910 h30 r90
  text "INVERTERS 1..2" at 130,778 h50
  text "INVERTERS 3..4" at 1727.33,778 h50
  text "INVERTERS 5..6" at 3324.67,778 h50
  text "INVERTERS 7..8" at 4922,778 h50
  text "BTN1" at 9473.14,277.38 h70
  text "RESET" at 8445,266.57 h70
  text "PWR" at 8813.24,145 h40
  text "PG" at 9015,145 h40
  text "FPGA / DONE" at 9140,145 h40
Top Solder:
  rectangle: 11860,2540 12190,2660
  text "A" at 11177.17,3612.24 h140
  text "M" at 11177.17,3415.57 h140
  text "D" at 11180.5,3218.91 h140
  text "C" at 11180.5,3022.24 h140
Bottom Solder:
  rectangle: 11860,2540 12190,2660
Mechanical 1:
  the board outline again, w1

## Text inside footprints (layer, text, board x,y; h text height)
SOM1: Top Overlay "TM" at 8457.81,4143.89 h15 r90; Top Overlay "JX1" at 7565.31,4519.89 h60 r90; Top Overlay "JX2" at 7561.31,2762.89 h60 r90; Top Overlay "50" at 8456.89,2654.38 h30; Top Overlay "76" at 8866.89,2654.38 h30; Top Overlay "75" at 8866.89,2999.38 h30; Top Overlay "51" at 8491.89,3004.38 h30; Top Overlay "26" at 8076.89,2664.38 h30; Top Overlay "25" at 8076.89,3004.38 h30; Top Overlay "1" at 7696.31,2976.4 h40; Top Overlay "2" at 7677.31,2673.4 h40; Top Overlay "99" at 9296.89,2979.38 h40; Top Overlay "100" at 9296.89,2664.38 h40; Top Overlay "100" at 9296.89,4414.38 h40; Top Overlay "99" at 9296.89,4729.38 h40; Top Overlay "2" at 7677.31,4423.4 h40; Top Overlay "1" at 7696.31,4726.4 h40; Top Overlay "25" at 8076.89,4754.38 h30; Top Overlay "26" at 8076.89,4414.38 h30; Top Overlay "51" at 8491.89,4754.38 h30; Top Overlay "75" at 8866.89,4749.38 h30; Top Overlay "76" at 8866.89,4404.38 h30; Top Overlay "50" at 8456.89,4404.38 h30; Top Overlay "50" at 7097.32,3676.47 h30 r90; Top Overlay "76" at 7097.32,4086.47 h30 r90; Top Overlay "75" at 6752.32,4086.47 h30 r90; Top Overlay "51" at 6747.32,3704.47 h30 r90; Top Overlay "26" at 7087.32,3296.47 h30 r90; Top Overlay "25" at 6747.32,3289.47 h30 r90; Top Overlay "1" at 6775.29,2915.89 h40 r90; Top Overlay "2" at 7078.29,2896.89 h40 r90; Top Overlay "99" at 6761.81,4480.89 h40 r90; Top Overlay "100" at 7096.81,4477.89 h40 r90; Top Overlay "JX3" at 6981.81,2784.89 h60 r180
U1: Mechanical 13 "*" at 15065,4318.74 h50 r180
U2: Mechanical 13 "*" at 16575,4318.74 h50 r180